# Altium PCB Developer_GT06_Output_V1.1.0_Nov2023_1402.06.05.PcbDoc
Units mil, origin at the board's own origin, x right, y up, seen from the top; angles counter-clockwise.
Board outline 1640 x 695 mil, 2 copper layers (Top Layer, Bottom Layer); 62 components, 0 nets, 134 pads, 47 vias.
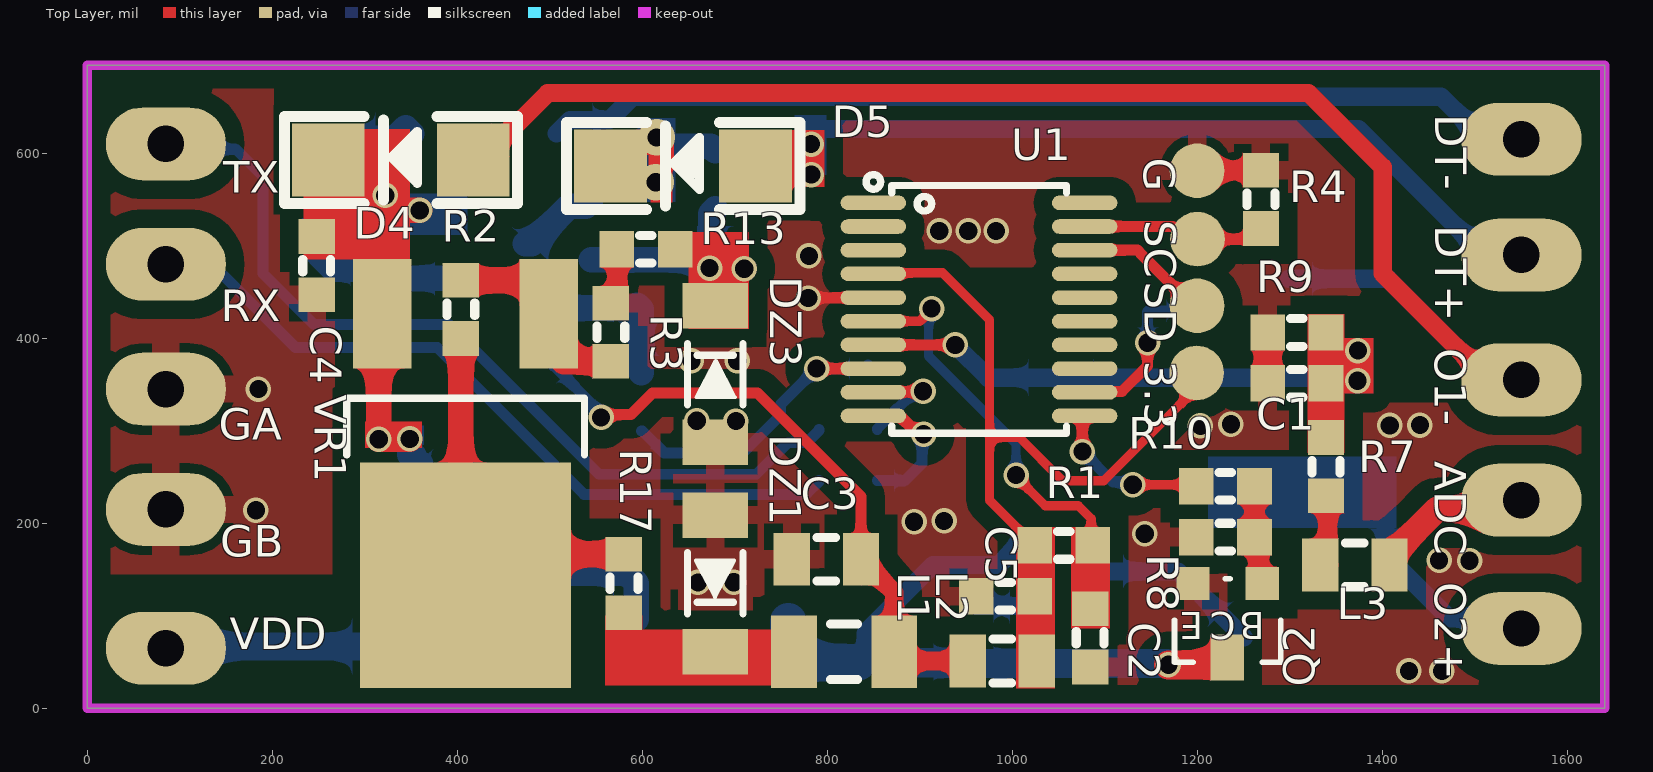
[diagram p0: Top Layer view]
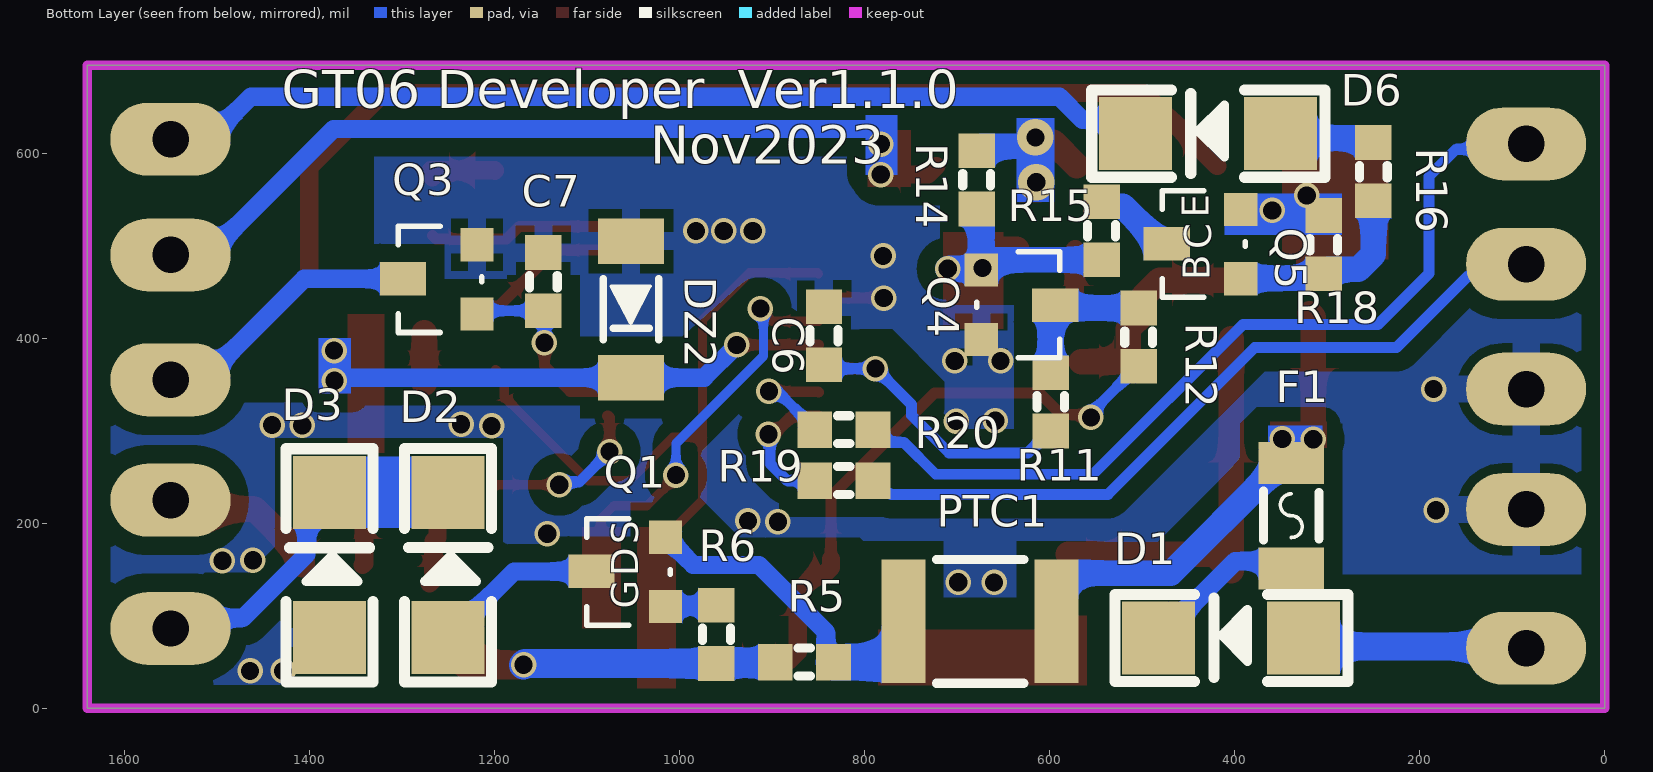
[diagram p1: Bottom Layer view, seen from below]

## Layer stack, top to bottom
Top Solder: solder mask 0.4, Solder Resist, Dk 3.5
Top Layer: signal copper 1.4
Dielectric 1: dielectric 12.6, FR-4, Dk 4.8
Bottom Layer: signal copper 1.4
Bottom Solder: solder mask 0.4, Solder Resist, Dk 3.5

## Board outline
0,0 1640,0 1640,695 0,695

## Design rules (kind name [scope] priority, off if disabled: settings)
Clearance [All] p1: gap=10 ignorepadtopadclearanceinfootprint=FALSE except(0: Arc-Hole Track-Hole SMDPad-Hole THPad-Hole Via-Hole Fill-Hole Poly-Hole Region-Hole Text-Hole)
PolygonConnect [All] p1: connectstyle=Relief reliefconductorwidth=10 reliefentries=4 polygonreliefangle="90 Angle" airgapwidth=10
RoutingVias [All] p1: holewidth=28 width=50 viastyle="Through Hole" minholewidth=28 minwidth=50 maxholewidth=28 maxwidth=50
SolderMaskExpansion [All] p1: expansion=4 istentingtop=FALSE
Width [All] p1: maxlimit=10 minlimit=10 preferedwidth=10
30 further rules are at their usual default settings.

## Components (designator, comment, footprint, x,y, rotation, side; value= is the part's Value field where it differs from the comment)
3.3 "" TPSMD_D1#1 1198.96,362.46 r0 top net-tie
ADC "" TPSMD_D1#2 1550,225 r270 top net-tie
C1 "" Cap_0603_Nominal 1307.29,351.17 r0 top
C2 "" Cap_0603_Nominal 1083.79,76.17 r90 top
C3 "" Cap_0805_Nominal 798.79,161.17 r0 top
C4 "" Cap_0603_Nominal 247.85,478.44 r90 top
C5 "" Cap_0603_Nominal 992.29,121.17 r0 top
C6 "" Cap_0603_Nominal 843.79,402.67 r270 bottom
C7 "" Cap_0603_Nominal 1147.02,461.17 r270 bottom
D1 "" DIODE_SMA 403.79,76.17 r0 bottom
D2 "" DIODE_SMA 1250,155 r90 bottom
D3 "" DIODE_SMA 1378.16,154.89 r90 bottom
D4 "" DIODE_SMA 338.79,592.64 r180 top
D5 "" DIODE_SMA 643.79,586.17 r180 top
D6 "" DIODE_SMA 428.79,621.17 r0 bottom
DT+ "" TPSMD_D1#2 1550,490 r90 top net-tie
DT- "" TPSMD_D1#2 1550,615 r90 top net-tie
DZ1 "" Diode_ZENER_MINIMELF 678.79,134.99 r270 top
DZ2 "" Diode_ZENER_MINIMELF 1052.37,431.17 r270 bottom
DZ3 "" Diode_ZENER_MINIMELF 678.79,361.17 r90 top
F1 "" FUSE_1206_NOMINAL 338.79,208.26 r270 bottom
G "" TPSMD_D1#1 1199.41,581.05 r90 top net-tie
GA "" TPSMD_D1#2 85,345 r90 top net-tie
GB "" TPSMD_D1#2 85,215 r90 top net-tie
L1 "" INDUCTOR_1206_NOMINAL 817.92,61.17 r180 top
L2 "" INDUCTOR_0805_Nominal 988.79,51.17 r0 top
L3 "" INDUCTOR_0805_Nominal 1370,155 r180 top
O1- "" TPSMD_D1#2 1550,355 r90 top net-tie
O2+ "" TPSMD_D1#2 1550,86.29 r90 top net-tie
PTC1 "" PTC_1812 675.09,94.09 r180 bottom
Q1 "" SOT23_MOSFET 1055,147.5 r90 bottom
Q2 "" SOT23_BJT 1232.5,95 r180 top
Q3 "" SOT23 1258.79,463.67 r90 bottom
Q4 "" SOT23 633.79,436.17 r270 bottom
Q5 "" SOT23_BJT 433.29,501.68 r90 bottom
R1 "" Res_0603_Nominal 1055.28,176.17 r0 top
R2 "" Res_0603_Nominal 403.79,431.17 r90 top
R3 "" Res_0603_Nominal 565.88,406.51 r90 top
R4 "" Res_0603_Nominal 1268.53,550.14 r90 top
R5 "" Res_0603_Nominal 865,50 r0 bottom
R6 "" Res_0603_Nominal 960,80 r270 bottom
R7 "" Res_0603_Nominal 1338.79,261.17 r90 top
R8 "" Res_0603_Nominal 1230,185 r180 top
R9 "" Res_0603_Nominal 1307.29,406.17 r180 top
R10 "" Res_0603_Nominal 1230,240 r180 top
R11 "" Res_0603_Nominal 598.79,331.17 r90 bottom
R12 "" Res_0603_Nominal 503.79,401.17 r270 bottom
R13 "" Res_0603_Nominal 603.79,496.17 r0 top
R14 "" Res_0603_Nominal 678.79,571.17 r90 bottom
R15 "" Res_0603_Nominal 543.79,516.17 r270 bottom
R16 "" Res_0603_Nominal 250,580 r90 bottom
R17 "" Res_0603_Nominal 580,135 r270 top
R18 "" Res_0603_Nominal 303.79,501.17 r270 bottom
R19 "" Res_0603_Nominal 822.29,246.17 r180 bottom
R20 "" Res_0603_Nominal 822.29,301.17 r180 bottom
RX "" TPSMD_D1#2 85,480 r90 top net-tie
SC "" TPSMD_D1#1 1199.87,507.13 r90 top net-tie
SD "" TPSMD_D1#1 1199.41,435.02 r90 top net-tie
TX "" TPSMD_D1#2 85,610 r90 top net-tie
U1 "" SOG65_20 963.79,431.17 r0 top
VDD "" TPSMD_D1#2 85,65 r90 top net-tie
VR1 "" DPAK 408.79,285.19 r180 top

## Footprints (in the part's own frame and the unit in brackets; to place one, negate y for a bottom-side part, rotate by r counter-clockwise, add the part's x,y. Pads: shape width x height; smd on the part's side, far side on the other; paste and mask are expansions set on the pad)
Cap_0603_Nominal [mm]
  rect 0.95x1 smd: 1(-0.8,0) 2(0.8,0)
  silkscreen extent -0.17,-0.38 0.17,0.38, body extent -0.8,-0.4 0.8,0.4, height 0.3
Cap_0805_Nominal [mm]
  rect 1x1.45 smd: 1(-0.95,0) 2(0.95,0)
  silkscreen extent -0.25,-0.6 0.25,0.6, body extent -1,-0.64 1,0.65, height 1.29
DIODE_SMA [mm]
  rect 2x2 smd: 1(-1.99,0) 2(1.99,0)
  silkscreen extent -3.21,-1.19 3.19,1.2, body extent -2.6,-1.3 2.6,1.3, height 2.45
Diode_ZENER_MINIMELF [mm]
  rect 1.25x1.8 smd: 1(-1.875,0) 2(1.875,0)
  silkscreen extent -0.84,-0.76 0.84,0.76, body extent -1.82,-0.81 1.88,0.79, height 1.61
DPAK [mm]
  rect 1.6x3 smd: 1(-2.285,-3.59) 3(2.285,-3.59)
  rect 5.8x6.2 smd: 2(0,3.59)
  silkscreen extent -3.27,-1.27 3.26,0.29, body extent -3.36,-4.45 3.36,6, height 2.39
FUSE_1206_NOMINAL [mm]
  rect 1.15x1.8 smd: 1(1.45,0) 2(-1.45,0)
  silkscreen extent -0.67,-0.76 0.67,0.76, body extent -1.7,-0.85 1.7,0.85, height 0.81
INDUCTOR_0805_Nominal [mm]
  rect 1x1.45 smd: 1(-0.95,0) 2(0.95,0)
  silkscreen extent -0.25,-0.6 0.25,0.6, body extent -1.1,-0.72 1.1,0.73, height 0.55
INDUCTOR_1206_NOMINAL [mm]
  rect 1.25x2 smd: 1(1.375,0) 2(-1.375,0)
  silkscreen extent -0.37,-0.76 0.37,0.76, body extent -1.6,-0.8 1.6,0.8, height 0.6
PTC_1812 [mm]
  rect 1.2x3.4 smd: 1(2.1,0) 2(-2.1,0)
  silkscreen extent -1.2,-1.7 1.2,1.7, body extent -2.25,-1.6 2.25,1.6, height 0.93
Res_0603_Nominal [mm]
  rect 0.95x1 smd: 1(-0.8,0) 2(0.8,0)
  silkscreen extent -0.17,-0.38 0.17,0.38, body extent -0.8,-0.42 0.84,0.43, height 0.26
SOG65_20 [mm] "PW TSSOP (TI), MO-153-AC (JEDEC), 20Lead, pitch: 0.65mm, 6.5x4.4x1.2mm"
  oval 1.8x0.4 smd mask+0.075: 1(-2.9,2.925) 2(-2.9,2.275) 3(-2.9,1.625) 4(-2.9,0.975) 5(-2.9,0.325) 6(-2.9,-0.325) 7(-2.9,-0.975) 8(-2.9,-1.625) 9(-2.9,-2.275) 10(-2.9,-2.925) 11(2.9,-2.925) 12(2.9,-2.275) 13(2.9,-1.625) 14(2.9,-0.975) 15(2.9,-0.325) 16(2.9,0.325) 17(2.9,0.975) 18(2.9,1.625) 19(2.9,2.275) 20(2.9,2.925)
  silkscreen extent -3.1,-3.4 2.4,3.7, body extent -3.2,-3.25 3.2,3.25, height 1.2
SOT23 [mil]
  rect 36x36 smd: 1(-37.5,-40) 2(37.5,-40)
  rect 36x50 smd: 3(0.5,40)
  silkscreen extent -57,-45 58,45, body extent -59,-49 59,49, height 42
SOT23_BJT [mil]
  rect 36x36 smd: 1(-37.5,-40) 2(37.5,-40)
  rect 36x50 smd: 3(0.5,40)
  silkscreen extent -57,-45 58,45, body extent -59,-49 59,49, height 42
SOT23_MOSFET [mil]
  rect 36x36 smd: 1(-37.5,-40) 2(37.5,-40)
  rect 36x50 smd: 3(0.5,40)
  silkscreen extent -58,-45 58,45, body extent -59,-49 59,49, height 42
TPSMD_D1#1 [mm] "Test Point, SMD Pad, Circle, 1mm X 1mm"
  round 1.5 smd paste-1.016 mask+0.025: 1(0,0)
TPSMD_D1#2 [mm] "Test Point, SMD Pad, Circle, 1mm X 1mm"
  oval 2x3.3 hole 1: 1(0,0)

## Part data
3.3 ADC DT+ DT- G GA GB O1- O2+ RX SC SD TX VDD: library part TESTPOINT_SMD, "TEST POINT"
C1 C2 C3 C4 C5 C6 C7: library part Cap
D1 D2 D3 D4 D5 D6: library part Diode
DZ1 DZ2 DZ3: library part Diode_Zener
F1: library part FUSE, "Marking Code:F"
L1 L2 L3: library part Inductor
PTC1: library part PTC
Q1: library part MOSFET-P, "P-Channel MOSFET"
Q2: library part MMBT3904
Q3 Q4: library part NPN_Digital
Q5: library part MMBT3906
R1 R2 R3 R4 R5 R6 R7 R8 R9 R10 R11 R12 R13 R14 R15 R16 R17 R18 R19 R20: library part RES
U1: library part STM32G030x6, "MCU, STM32 ARM 32-bit, Cortex M0, 64KB FLASH, 8KB SRAM"
VR1: library part VREG_LM317_TO220, "REG, Linear, Adjustable, 1.5A, TO-220"

## Via types
v1: diameter 27.56, hole 19.68, Top Layer to Bottom Layer, tented both sides, 45 vias
v2: diameter 39.37, hole 19.68, Top Layer to Bottom Layer, tented both sides, 2 vias

## Nets (pads, with @x,y where several pads share a name; then routed paths per layer and width w, separated by ;. In a path a pad name is that pad's centre, name@x,y a point inside that pad or via, vN(x,y) a via of type N, cw(c..) or ccw(c..) an arc to the next point about the centre after c; other vN are vias at no path point)
pads on no net: 3.3.1 ADC.1 C1.1 C1.2 C2.1 C2.2 C3.1 C3.2 C4.1 C4.2 C5.1 C5.2 C6.1 C6.2 C7.1 C7.2 D1.1 D1.2 D2.1 D2.2 D3.1 D3.2 D4.1 D4.2 D5.1 D5.2 D6.1 D6.2 DT+.1 DT-.1 DZ1.1 DZ1.2 DZ2.1 DZ2.2 DZ3.1 DZ3.2 F1.1 F1.2 G.1 GA.1 GB.1 L1.1 L1.2 L2.1 L2.2 L3.1 L3.2 O1-.1 O2+.1 PTC1.1 PTC1.2 Q1.1 Q1.2 Q1.3 Q2.1 Q2.2 Q2.3 Q3.1 Q3.2 Q3.3 Q4.1 Q4.2 Q4.3 Q5.1 Q5.2 Q5.3 R1.1 R1.2 R2.1 R2.2 R3.1 R3.2 R4.1 R4.2 R5.1 R5.2 R6.1 R6.2 R7.1 R7.2 R8.1 R8.2 R9.1 R9.2 R10.1 R10.2 R11.1 R11.2 R12.1 R12.2 R13.1 R13.2 R14.1 R14.2 R15.1 R15.2 R16.1 R16.2 R17.1 R17.2 R18.1 R18.2 R19.1 R19.2 R20.1 R20.2 RX.1 SC.1 SD.1 TX.1 U1.1 U1.2 U1.3 U1.4 U1.5 U1.6 U1.7 U1.8 U1.9 U1.10 U1.11 U1.12 U1.13 U1.14 U1.15 U1.16 U1.17 U1.18 U1.19 U1.20 VDD.1 VR1.1 VR1.2 VR1.3
copper on no net: | length 13775.2
  Top Layer w10: 849.61,418.38 899.82,418.38 912.54,431.1 v1(912.54,432.01) ; 849.61,469.56 850.71,470.66 924.3,470.66 975,419.96 975,292.92 ; v1(1003.78,252.17) 1003.78,250.35 1035.27,218.86 1071.14,218.86 1085,205 1085,177.95 1086.78,176.17 ; 1023.79,176.17 1023.79,177.16 1010.09,190.86 1009.1,190.86 975,224.96 975,292.92 ; v1(1129.9,241.68) 1196.83,241.68 1198.5,240 ; 1198.79,366.17 1189.4,356.79 1189.4,336.79 1098.62,246.01 1053.99,246.01 1007.08,292.92 975,292.92
  Top Layer w11.81: v1(555.32,314.46) 558.34,317.47 587.47,317.47 610.71,340.71 724.25,340.71 836.19,228.77 836.19,161.17 ; v1(779.31,443.42) 779.58,443.7 849.34,443.7 849.61,443.97 ; v1(788.13,367.22) 849.6,367.21 ; 849.61,316.02 878.24,316.02 895.07,299.19 900.78,299.19 v1(903.79,296.17) ; 849.61,341.61 850.17,342.17 902.77,342.17 v1(903.33,342.72) ; 849.61,392.79 849.66,392.75 937.92,392.75 v1(937.96,392.71) ; v1(1075.52,277.51) 1075.52,314.2 1077.34,316.02 1077.96,316.02 ; 1077.96,341.61 1078.71,342.36 1118.08,342.36 1145.85,370.12 v1(1145.85,395.14) ; 1077.96,495.15 1134.85,495.15 1139.98,490.03 1194.98,435.02 1199.41,435.02 ; 1077.96,520.74 1173.47,520.74 1187.08,507.13 1199.87,507.13 1263.17,507.13 1267,510.96
  Top Layer w19.68: 418.79,586.17 497.77,665.16 1319.84,665.16 1400,585 1400,470 1515,355 1550,355 ; 722.12,586.17 731.42,576.88 v1(782.55,576.88) ; 836.19,161.17 836.19,152.32 846.03,142.47 854.89,142.47 872.06,125.31 872.06,61.17 882.06,51.17 951.39,51.17 ; 1261.5,240 1261.5,185 1265.75,180.75 1265.75,139.25 1270,135 ; 1338.79,229.68 1340.69,227.77 1340.69,156.91 1342.6,155
  Top Layer w20: 572.29,496.17 573.04,495.43 573.04,438.42 573.79,437.67 ; 1199.41,581.05 1199.71,581.34 1268.24,581.34 1268.53,581.64 ; 1263.92,577.03 1267,573.95
  Top Layer w27.56: 268.86,515 302.32,515 320.04,497.28 320.04,480.35 ; 315,535 318.12,538.12 v1(359.43,538.12) ; 318.83,426.53 314.95,422.65 v1(314.95,290.86) 348.27,290.86 v1(348.57,291.16) ; 403.79,399.68 403.79,148.85 421.43,166.5 580,166.5 ; 403.79,462.67 481.03,462.67 498.75,444.95 498.75,426.53 514.89,410.38 514.89,374.68 565.88,374.68 ; 570.45,586.17 596.04,611.76 606.83,611.76 612.06,616.99 v2@614.33,616.99 ; v2(615.25,616.99) 615.25,614.4 620.4,609.25 620.4,585.64 v2@620.4,605.04 ; 640.21,491.25 635.28,496.17 663.78,496.17 672.55,487.4 v1(672.55,475.83) ; 667.96,445.82 678.79,434.99 ; 1275.8,351.17 1275.8,406.17 ; 1407.4,155 1407.4,163.86 1458.75,215.21 1540.21,215.21 1550,225
  Top Layer w31.5: v1(1168.42,46.99) 1229.75,46.99 1232,49.25 1232,55
  Bottom Layer w10: v1(912.54,432.01) 909.18,428.65 909.18,380.78 1003.78,286.18 v1(1003.78,252.17)
  Bottom Layer w11.81: 57.01,610 62.77,615.76 ; 85,480 97.81,467.19 147.81,467.19 225,390 378.23,390 537.06,231.17 771.08,231.17 772.3,232.39 778,232.39 790.8,245.19 790.8,246.17 ; 85,610 90.76,604.24 160.76,604.24 190,575 190,470 245,415 390.85,415 552.86,252.98 722.99,252.98 757.39,287.39 778,287.39 790.8,300.19 790.8,301.17 ; 95,470 95.33,470.33 ; 503.79,369.68 504.77,369.68 552.31,322.14 552.31,317.47 v1(555.32,314.46) ; 598.79,299.68 599.77,299.68 623.28,276.17 708.62,276.17 749.19,316.75 749.19,328.29 v1(788.13,367.22) 839.84,367.22 843.79,371.17 ; 598.79,362.67 599.77,362.67 ; 853.79,246.17 883.79,246.17 902.29,264.68 902.29,294.68 v1(903.79,296.17) ; 853.79,301.17 853.79,302.16 893.22,341.58 902.19,341.58 v1(903.33,342.72) ; v1(1075.52,277.51) 1108.34,244.69 1126.89,244.69 v1(1129.9,241.68) ; v1(1145.85,395.14) 1145.85,428.51 1147.02,429.68 1215.28,429.68 1218.79,426.17
  Bottom Layer w19.68: 507.12,621.17 521.93,635.98 564.49,635.98 589.52,661.02 1462.99,661.02 1509.01,615 1540,615 ; v1@781.67,608.67 781.67,618.9 788.95,626.17 1373.83,626.17 1500.11,499.89 1540.11,499.89 1550,490 ; v1@781.67,609.25 v1(782.31,609.89) ; 833.5,50 841.69,58.19 841.69,82.58 914.11,155 985,155 1015,185 ; v1(937.96,392.71) 973.31,357.35 1367.65,357.35 1375,350 1374.12,350.88 1374.12,385.71 v1(1373.25,386.59) ; 960,111.5 960.75,110.75 1014.25,110.75 1015,110 ; 1095,148 1178.67,148 1250,76.67 ; 1248.75,228.63 1261.17,216.21 ; 1298.79,464.17 1405.83,464.17 1515,355 1550,355 ; 1378.16,233.23 1403.03,208.36 1403.03,166.41 1471.85,97.59 1538.7,97.59 1550,86.29 ; 1536.48,71.29 1544.95,71.29
  Bottom Layer w20: 338.79,159.09 399.21,159.09 482.12,76.17
  Bottom Layer w27.56: 250,548.5 250,490.74 266.14,474.6 298.87,474.6 303.79,469.68 308.71,464.76 392.71,464.76 ; 250,611.5 254.84,616.33 332.62,616.33 343.96,627.67 350.45,621.17 ; v1@345.18,287.78 348.57,284.39 348.57,274.2 349.51,273.26 352.84,273.26 ; 360.44,264.4 360.44,254.52 468.79,146.17 582.57,146.17 593.43,135.31 593.43,96.17 ; 473.29,502.18 480.29,502.18 520.86,542.75 538.87,542.75 543.79,547.67 ; 503.79,432.67 590.78,432.67 593.79,435.67 594.57,435.67 598.79,431.45 598.79,362.67 ; 544.77,484.68 662.78,484.68 671.64,475.83 v1(672.55,475.83) ; v2(615.25,616.99) 618.45,616.99 627.84,607.59 673.87,607.59 678.79,602.67 ; v1@673.24,475.14 v1(709.94,475.14) ; v1@673.79,473.67 672.55,474.91 v1(672.55,475.83) ; 678.79,539.68 678.71,539.68 673.79,534.76 673.79,477.06 v1(672.55,475.83)
  Bottom Layer w30: 125,66.86 316.14,66.86 325.45,76.17
  Bottom Layer w31.5: 896.5,50 897.24,49.25 959.25,49.25 960,48.5 1166.91,48.5 v1(1168.42,46.99)
  Bottom Layer w39.37: 757.76,94.09 757.76,53.94 761.7,50 833.5,50
  other v1: 1428.41,40.37 1464.06,40.37 659.95,136.02 698.79,136.17 1493.91,159.5 1460.91,160.09 1142.88,188.61 893.6,201.7 926.06,202.6 182.32,214.15 1203.09,305.16 1407.65,305.8 1440.25,306.17 1236.06,307.11 658.62,310.88 700.98,310.51 185,345 1372.81,353.99 653.01,375.46 702.57,375.46 779.9,488.88 920.8,516 952.2,516 982.17,516 322.05,554.28
  other v2: 614.33,568.55

## Polygon pours and split planes (outlines as drawn)
no net on Bottom Layer "NONET_L02_P000" (solid, remove dead copper, pour order 0): 0,0 0,695 1640,695 1640,0
no net on Top Layer "NONET_L01_P002" (solid, remove dead copper, pour order 2): 0,695 1640,695 1640,0 0,0

## Keep-outs
Keep-Out Layer:
  the board outline again, w10

## Other copper
Top Layer:
  rectangle: 750,563.63 796.77,625
  rectangle: 1325,340 1390,400
  rectangle: 650,410 715,515
  rectangle: 300,281.34 361.96,310
  rectangle: 1063.16,86.17 1105.11,195.85
  rectangle: 1318.79,276.17 1358.79,426.17
  rectangle: 1003.79,21.17 1046,196.17
  rectangle: 608.45,546.43 632.35,624.86
  rectangle: 233.79,485 348.79,626.17
  region: 560,100 560,25 785,25 785,85 600,85 600,100
  pour cut-out: 1465.76,173.03 1495.75,173.03 1495.89,172.89 1496.04,173.03 1496.04,180.67 1466.75,180.67 1465.47,181.94
  pour cut-out: 267.33,347.47 265,345.14 265,145 275.29,145 275.64,145.35 273.36,147.64 273.36,347.28
  pour cut-out: 929.46,319.89 946.9,302.45 950.34,302.45 950.34,320.38 950.83,320.87 944.93,326.77 927.49,326.77
  pour cut-out: 633.36,297.35 633.36,233.79 632.77,233.2 619.19,233.2 619.19,296.57 620.04,297.42
  pour cut-out: 1247.1,321.49 1235.99,321.49 1235.21,322.26 1235.21,331.96 1246.48,331.96 1247.11,332.59
  pour cut-out: 1470.46,329.99 1470.04,330.41 1402.82,330.41 1402.82,336.29 1405.3,338.76 1470.91,338.76
  pour cut-out: 781.49,526.8 781.77,526.53 795.27,526.53 795.27,535.57 794.87,535.16 781.61,535.16
  pour cut-out: 791.07,151.17 796.7,151.17 797.12,151.59 797.3,151.4 797.3,145.11 791.75,145.11 790.83,144.19
  pour cut-out: 23.88,136.93 23.88,145 276.13,145 276.13,136.93
  pour cut-out: 201.08,652.01 201.45,652.38 201.45,670.71 211.63,670.71 211.76,670.84 212.73,669.88 212.73,652
  pour cut-out: 961.25,469.62 1022.53,469.62 1022.53,477.04 1022.14,477.43 1021.36,476.65 950.71,476.65
  pour cut-out: 263.16,126.49 274.56,126.49 275.1,127.03 275.1,119.78 263.39,119.78 262.84,119.22
  pour cut-out: 1261.29,103.17 1261.51,102.95 1261.51,96.1 1266.62,96.1 1266.11,96.61 1266.11,103.13
  pour cut-out: 1125.48,215.86 1125.69,216.06 1134.72,216.06 1134.72,224.33 1133.11,225.95 1132.03,224.87 1124.66,224.87
  pour cut-out: 447.25,347.47 438.21,347.47 437.79,347.9 437.98,348.09 437.98,352.72 446.66,352.72 447.04,353.1
  pour cut-out: 639.22,128.54 638.93,128.25 638.93,106.64 629.56,106.64 629.94,107.02 629.94,128.48
Bottom Layer:
  rectangle: 1211.35,195 1415,272.18
  rectangle: 1355,340 1390,400
  rectangle: 305,284.39 363.74,305.74
  rectangle: 594.4,547.09 635.48,637.83
  rectangle: 283.79,511.52 410.8,556.17
  rectangle: 764.56,576.17 798.79,641.17
  pour cut-out: 363.74,326.13 375.87,326.13 394.22,307.79 389.14,302.71 388.47,302.71
  pour cut-out: 1465.6,147.36 1466.12,146.84 1513.18,146.84 1513.18,141.78 1512.48,142.48 1465.77,142.48
  pour cut-out: 979.88,227.86 977.55,227.86 932.25,182.55 932.77,182.04 977.3,182.04
  pour cut-out: 801.39,181.02 805.08,184.71 906.53,184.71 906.53,181.03 899.78,174.28 899.47,174.59 801.31,174.59
  pour cut-out: 713.04,323.26 713.04,353.14 769.91,410 805.87,410
  pour cut-out: 939.57,452.75 997.24,402.08 997.24,385.62 981.6,385.62 939.63,427.6
  pour cut-out: 787,543.1 786.87,542.97 717.78,542.97 717.78,552.59 718.4,551.97 760.37,551.97
  pour cut-out: 204.1,571.37 203.12,572.35 203.12,669.46 209.35,669.46 209.54,669.66 209.54,571.61
  pour cut-out: 635.92,120.05 715,120.05 714.04,119.08 714.04,108.84 638.48,108.84 635.92,111.4
  pour cut-out: 1470.46,329.99 1470.04,330.41 1402.82,330.41 1402.82,336.29 1405.3,338.76 1470.91,338.76
  pour cut-out: 873.47,424.17 879.66,424.17 880.44,423.38 880.44,420.32 873.5,420.32 873.41,420.23
  pour cut-out: 23.88,136.93 23.88,145 283.36,145 283.36,136.93
  pour cut-out: 983.39,220.7 983.39,207.86 983.5,207.75 984.07,208.32 1019.07,208.32 1019.07,218.79 1020.86,220.57
  pour cut-out: 1315,85 1315,65 1323.65,65 1324.82,66.17 1324.82,86.17
  pour cut-out: 1265.54,115.24 1266.32,116.02 1373.73,116.02 1373.73,127.76 1372.55,128.93 1265.54,128.93
  pour cut-out: 1330,596.89 1330,502.1 1344.46,502.1 1344.46,582.83 1342.5,584.78
  pour cut-out: 283.36,222.71 283.36,193.81 292.92,193.81 293,193.9 292.04,194.87 292.04,222.59

## Silkscreen, mask and mechanical layers (free items; w line width, h text height)
Bottom Overlay:
  text "GT06 Developer  Ver1.1.0" at 1430,635 h70
  text "Nov2023" at 1031.35,575 h70

## Text inside footprints (layer, text, board x,y; h text height)
Q1: Bottom Overlay "G" at 1035,107.5 h50 r270; Bottom Overlay "S" at 1035,177.5 h50 r270; Bottom Overlay "D" at 1035,142.5 h50 r270
Q2: Top Overlay "B" at 1272.31,113.49 h50 r180; Top Overlay "E" at 1205.93,113.61 h50 r180; Top Overlay "C" at 1241.13,113.49 h50 r180
Q5: Bottom Overlay "B" at 417.01,462.91 h50 r270; Bottom Overlay "E" at 418.02,530.26 h50 r270; Bottom Overlay "C" at 415.66,496.25 h50 r270